# Altium PCB Graviton-RB1.PcbDoc (part 3 of 11) (continued)
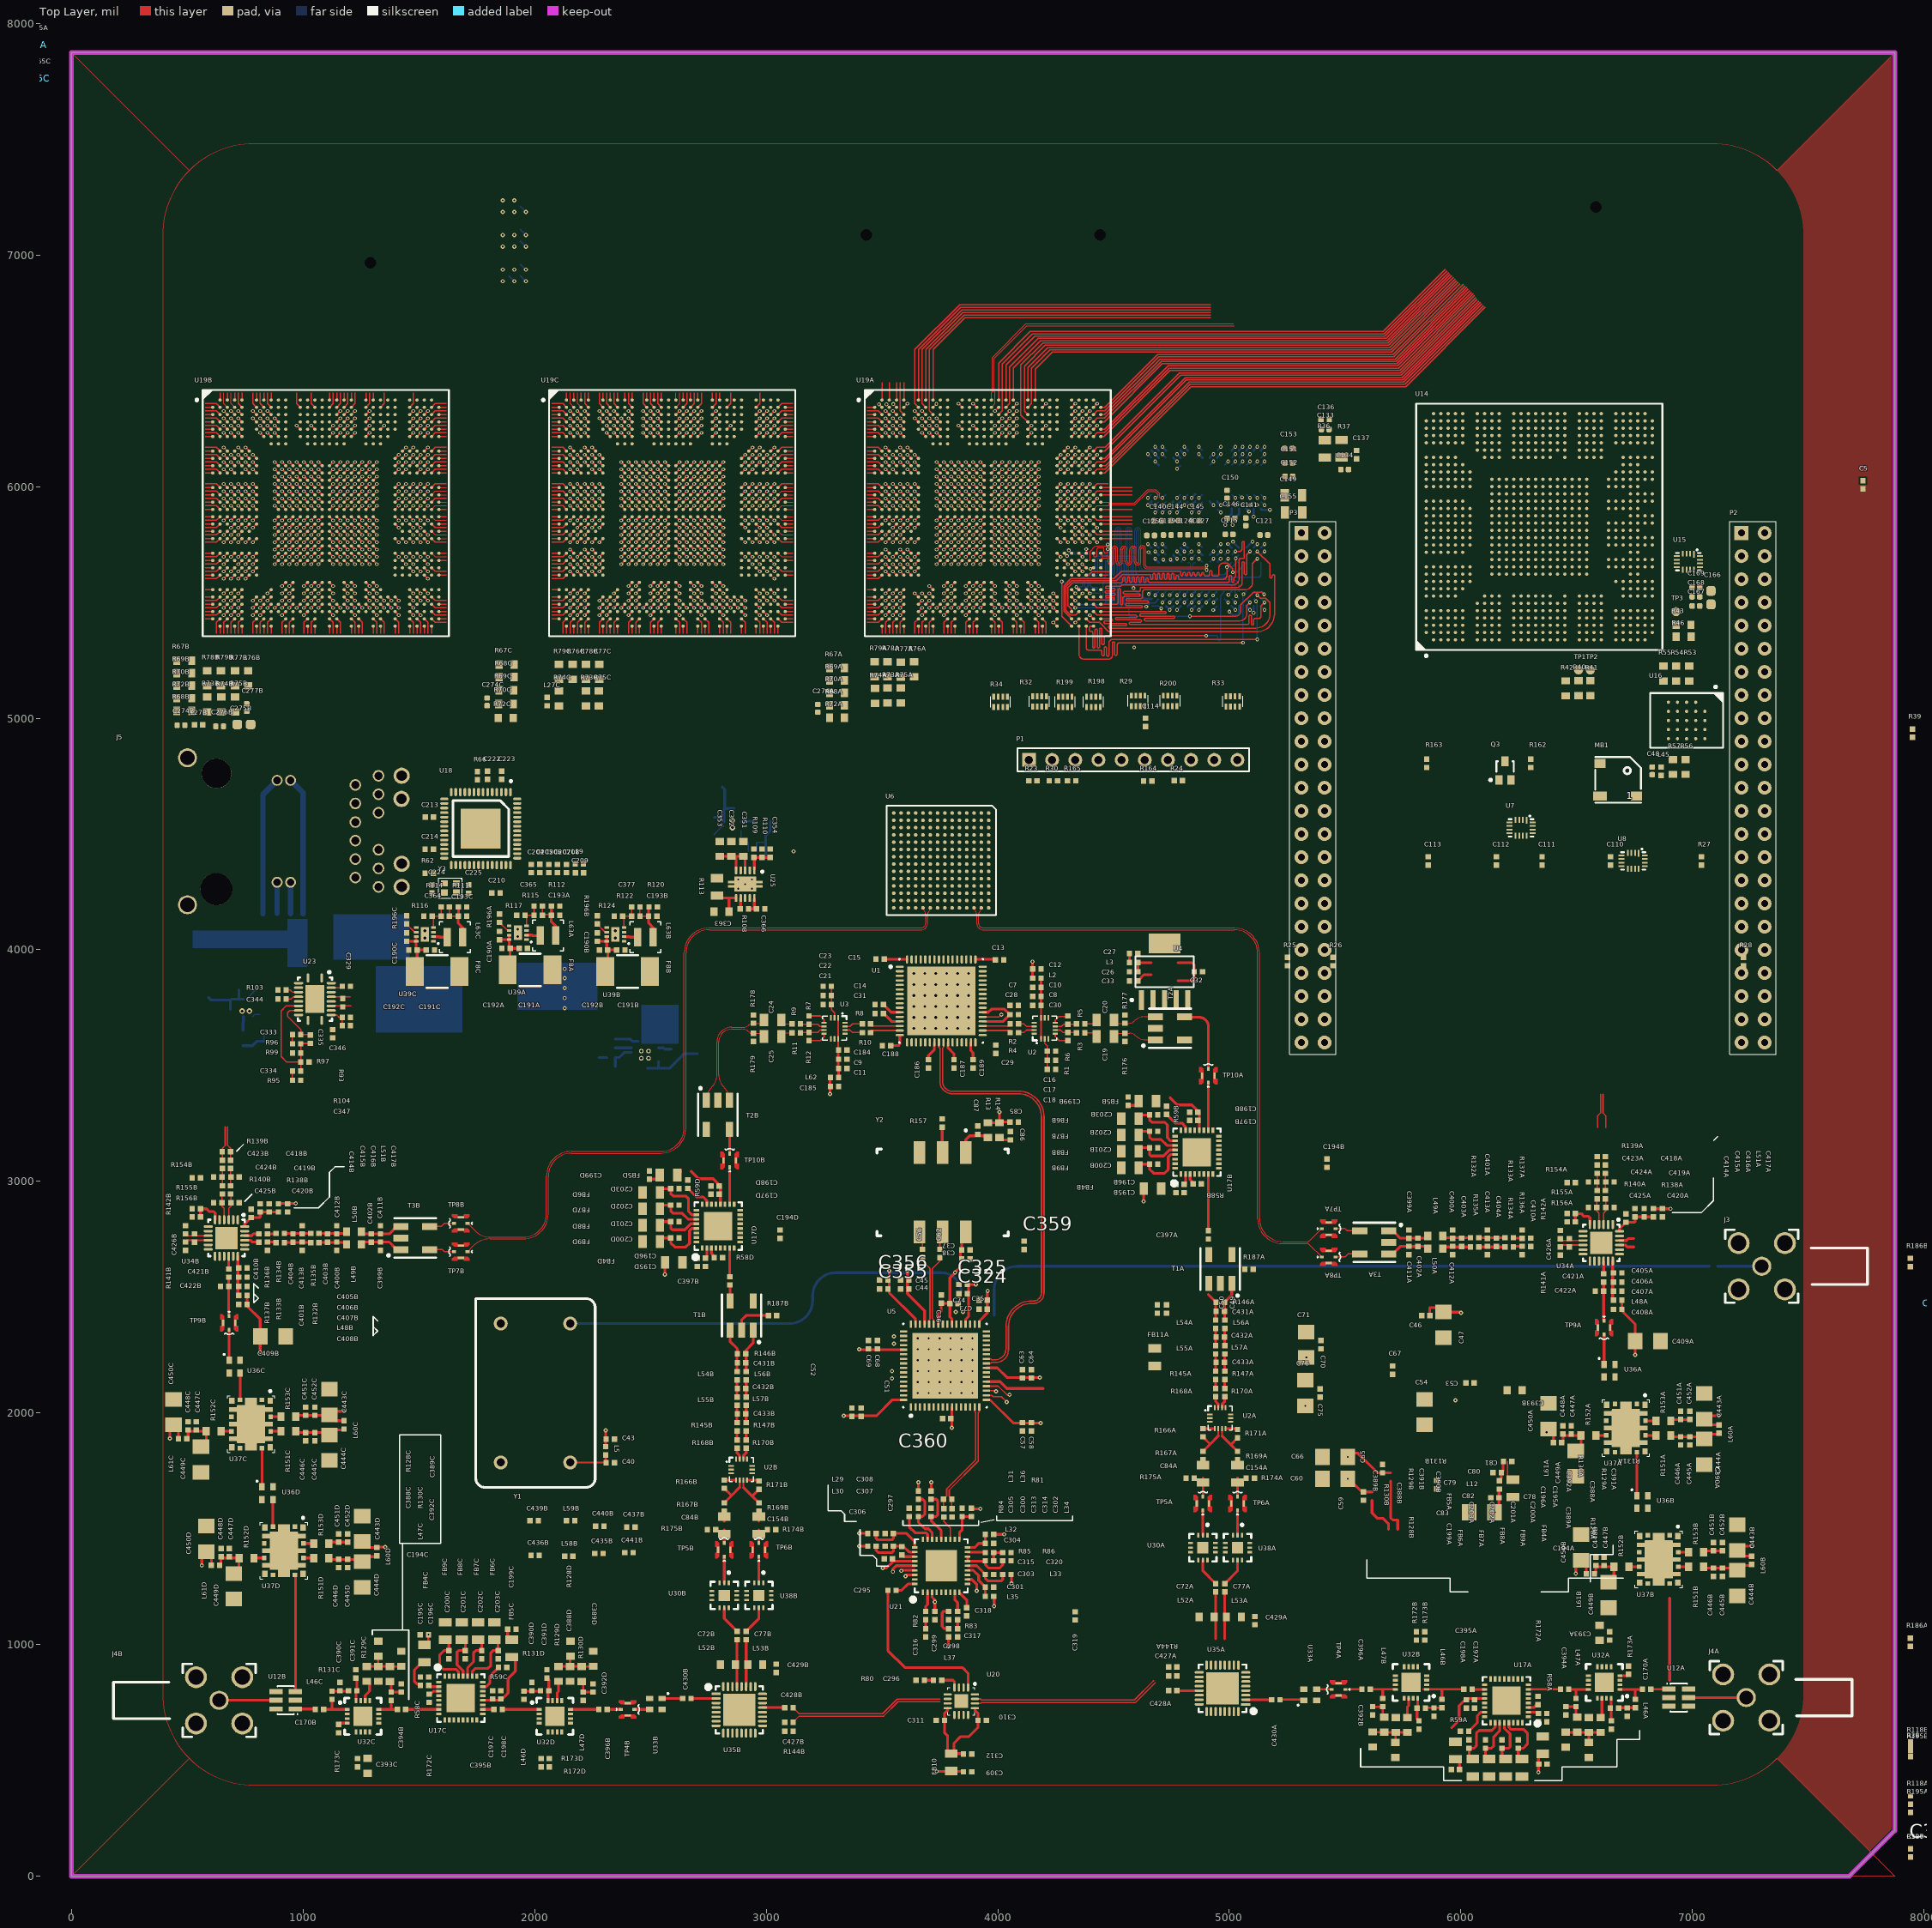
[diagram p0: Top Layer view]
## Components (designator, comment, footprint, x,y, rotation, side; value= is the part's Value field where it differs from the comment) (continued)
R67C "RES 0603 4.7k 1%" 0603 1879,5232 r180 top (schematic designator R67)
R68A "RES 0603 4.7k 1%" 0603 3306,5055.75 r180 top (schematic designator R68)
R68B "RES 0603 4.7k 1%" 0603 487,5032 r180 top (schematic designator R68)
R68C "RES 0603 4.7k 1%" 0603 1879,5178 r180 top (schematic designator R68)
R69A "RES 0603 4.7k 1%" 0603 3306,5163.25 r180 top (schematic designator R69)
R69B "RES 0603 4.7k 1%" 0603 487,5194.75 r180 top (schematic designator R69)
R69C "RES 0603 4.7k 1%" 0603 1878,5121 r180 top (schematic designator R69)
R70A "RES 0603 4.7k 1%" 0603 3306,5109.5 r180 top (schematic designator R70)
R70B "RES 0603 4.7k 1%" 0603 487,5140.5 r180 top (schematic designator R70)
R70C "RES 0603 4.7k 1%" 0603 1876.36,5061.71 r180 top (schematic designator R70)
R71A "RES 0603 4.7k 1%" 0603 3560,5590 r180 bottom (schematic designator R71)
R71B "RES 0603 4.7k 1%" 0603 3630,5460 r270 bottom (schematic designator R71)
R71C "RES 0603 4.7k 1%" 0603 2207,5581 r180 bottom (schematic designator R71)
R72A "RES 0603 4.7k 1%" 0603 3306,5002 r0 top (schematic designator R72)
R72B "RES 0603 4.7k 1%" 0603 487,5086.25 r0 top (schematic designator R72)
R72C "RES 0603 4.7k 1%" 0603 1875,5001 r0 top (schematic designator R72)
R73A "RES 0603 4.7k 1%" 0603 3524.07,5098.38 r270 top (schematic designator R73)
R73B "RES 0603 4.7k 1%" 0603 586,5060 r270 top (schematic designator R73)
R73C "RES 0603 4.7k 1%" 0603 2222,5086 r270 top (schematic designator R73)
R74A "RES 0603 4.7k 1%" 0603 3470,5097 r270 top (schematic designator R74)
R74B "RES 0603 4.7k 1%" 0603 647,5060 r270 top (schematic designator R74)
R74C "RES 0603 4.7k 1%" 0603 2105,5086 r270 top (schematic designator R74)
R75A "RES 0603 0" 0603 3581,5098 r270 top (schematic designator R75)
R75B "RES 0603 0" 0603 707,5060 r270 top (schematic designator R75)
R75C "RES 0603 0" 0603 2278,5086 r270 top (schematic designator R75)
R76A "RES 0603 4.7k 1%" 0603 3639,5211 r270 top (schematic designator R76)
R76B "RES 0603 4.7k 1%" 0603 763,5172 r90 top (schematic designator R76)
R76C "RES 0603 4.7k 1%" 0603 2164,5200 r90 top (schematic designator R76)
R77A "RES 0603 4.7k 1%" 0603 3581,5210 r270 top (schematic designator R77)
R77B "RES 0603 4.7k 1%" 0603 707,5173 r270 top (schematic designator R77)
R77C "RES 0603 4.7k 1%" 0603 2279,5200 r270 top (schematic designator R77)
R78A "RES 0603 0" 0603 3524,5212 r270 top (schematic designator R78)
R78B "RES 0603 0" 0603 586,5173 r270 top (schematic designator R78)
R78C "RES 0603 0" 0603 2222,5200 r270 top (schematic designator R78)
R79A "RES 0603 0" 0603 3469,5212 r270 top (schematic designator R79)
R79B "RES 0603 0" 0603 646,5173 r270 top (schematic designator R79)
R79C "RES 0603 0" 0603 2105,5200 r270 top (schematic designator R79)
R80 "RES 0402" 0402 3665.35,846.46 r180 top
R81 "RES 0402" 0402 3783.46,1628.15 r180 top
R82 "RES 0402" 0402 3688.98,1125.98 r90 top
R83 "RES 0402" 0402 3826.77,1125.98 r90 top
R84 "RES 0402" 0402 3618.11,1570.87 r270 top
R85 "RES 0402" 0402 3964.57,1397.64 r0 top
R86 "RES 0402" 0402 4039.37,1397.64 r0 top
R87 "RES 0805" 0805 3039.37,4409.45 r0 bottom
R88 "RES 360K 0402" 0402 2940.94,4464.57 r0 bottom
R89 "RES 0402" 0402 9811.02,7169.29 r90 top
R90 "RES 180k 0402" 0402 2866.14,4464.57 r0 bottom
R91 "RES 0402" 0402 13417.32,7035.43 r90 top
R92A "RES 0402" 0402 8272.41,329.03 r90 top (schematic designator R92)
R92B "RES 0402" 0402 8272.41,561.32 r90 top (schematic designator R92)
R93 "RES 0402" 0402 1171.46,3771.65 r270 top
R94 "RES 0402" 0402 11547.24,7035.43 r90 top
R95 "RES 0402" 0402 972.44,3437.01 r180 top
R96 "RES 0402" 0402 972.44,3594.49 r0 top
R97 "RES 0402" 0402 1007.87,3515.75 r180 top
R98 "RES 0402" 0402 10070.87,7035.43 r90 top
R99 "RES 0402" 0402 972.44,3555.12 r180 top
R100 "RES 0402" 0402 -5340.38,1813.51 r0 top
R101 "RES 0402" 0402 10692.91,7086.61 r90 top
R102 "RES 0402" 0402 3323,4896 r270 bottom
R103 "RES 0402" 0402 909.45,3826.77 r180 top
R104 "RES 0402" 0402 1187.2,3708.66 r180 top
R105 "RES 0402" 0402 2330.71,3535.43 r180 bottom
R106 "RES 0402" 0402 3363,4896 r90 bottom
R107 "RES 0402" 0402 2330.71,3574.8 r180 bottom
R108 "RES 0402" 0402 2905.51,4177.17 r0 top
R109 "10k, 1%" 0402 2946.85,4417.32 r90 top
R110 "10k, 1%" 0402 2982.28,4417.32 r270 top
R111 "RES 1206" 0402 1688.98,4185.04 r0 top
R112 "RES 1206" 0402 2090.55,4188.98 r0 top
R113 "RES 0805" 0805 2787.4,4271.65 r90 top
R114 "RES 360K 0402" 0402 1614.17,4145.67 r0 top
R115 "RES 360K 0402" 0402 2015.75,4149.61 r0 top
R116 "RES 180k 0402" 0402 1539.37,4145.67 r0 top
R117 "RES 180k 0402" 0402 1940.94,4149.61 r0 top
R118A "RES 0402" 0402 7941.7,329.03 r90 top (schematic designator R118)
R118B "RES 0402" 0402 7941.7,561.32 r90 top (schematic designator R118)
R119 "RES 0402" 0402 8784.22,100.69 r90 top
R120 "RES 1206" 0402 2511.81,4185.04 r0 top
R121 "RES 1206" 0402 9307.09,7114.17 r90 top
R122 "RES 0402" 0402 2437.01,4145.67 r180 top
R123 "RES 360K 0402" 0402 13173.23,7078.74 r90 top
R124 "RES 0402" 0402 2362.2,4145.67 r180 top
R125 "RES 0402" 0402 8366.14,-102.36 r90 top
R126 "RES 180k 0402" 0402 11992.13,7078.74 r90 top
R127 "RES 0402" 0402 8221.23,100.69 r90 top
R128A "RES 0603" 0603 6552.17,545.28 r90 top (schematic designator R128)
R128B "RES 0603" 0603 5717.52,545.28 r90 top (schematic designator R128)
R128C "RES 0603" 0603 1325.79,982.28 r270 top (schematic designator R128)
R128D "RES 0603" 0603 2154.53,982.28 r270 top (schematic designator R128)
R129A "RES 0603" 0603 6603.35,653.54 r270 top (schematic designator R129)
R129B "RES 0603" 0603 5768.7,653.54 r270 top (schematic designator R129)
R129C "RES 0603" 0603 1274.61,874.02 r90 top (schematic designator R129)
R129D "RES 0603" 0603 2103.35,874.02 r90 top (schematic designator R129)
R130A "RES 0603" 0603 6502.95,654.53 r270 top (schematic designator R130)
R130B "RES 0603" 0603 5668.31,654.53 r270 top (schematic designator R130)
R130C "RES 0603" 0603 1375,873.03 r90 top (schematic designator R130)
R130D "RES 0603" 0603 2203.74,873.03 r90 top (schematic designator R130)
R131A "RES 0402" 0402 6663.39,726.38 r180 top (schematic designator R131)
R131B "RES 0402" 0402 5828.74,726.38 r180 top (schematic designator R131)
R131C "RES 0402" 0402 1214.57,801.18 r0 top (schematic designator R131)
R131D "RES 0402" 0402 2043.31,801.18 r0 top (schematic designator R131)
R132A "RES 0402" 0402 6059.06,2756.89 r0 top (schematic designator R132)
R132B "RES 0402" 0402 1051.18,2736.22 r180 top (schematic designator R132)
R133A "RES 0402" 0402 6208.66,2756.89 r0 top (schematic designator R133)
R133B "RES 0402" 0402 901.57,2736.22 r180 top (schematic designator R133)
R134A "RES 0402" 0402 6208.66,2717.52 r0 top (schematic designator R134)
R134B "RES 0402" 0402 901.57,2775.59 r180 top (schematic designator R134)
R135A "RES 0402" 0402 6059.06,2717.52 r0 top (schematic designator R135)
R135B "RES 0402" 0402 1051.18,2775.59 r180 top (schematic designator R135)
R136A "RES 0402" 0402 6263.78,2701.77 r270 top (schematic designator R136)
R136B "RES 0402" 0402 846.46,2791.34 r90 top (schematic designator R136)
R137A "RES 0402" 0402 6263.78,2772.64 r270 top (schematic designator R137)
R137B "RES 0402" 0402 846.46,2720.47 r90 top (schematic designator R137)
R138A "RES 0402" 0402 6624.02,2942.91 r270 top (schematic designator R138)
R138B "RES 0402" 0402 687.01,2963.58 r270 top (schematic designator R138)
R139A "RES 0402" 0402 6606.3,3107.28 r0 top (schematic designator R139)
R139B "RES 0402" 0402 669.29,3127.95 r0 top (schematic designator R139)
R140A "RES 0402" 0402 6588.58,2942.91 r270 top (schematic designator R140)
R140B "RES 0402" 0402 651.57,2963.58 r270 top (schematic designator R140)
R141A "RES 0402" 0402 6429.13,2699.8 r90 top (schematic designator R141)
R141B "RES 0402" 0402 492.13,2720.47 r90 top (schematic designator R141)
R142A "RES 0402" 0402 6429.13,2770.67 r90 top (schematic designator R142)
R142B "RES 0402" 0402 492.13,2791.34 r90 top (schematic designator R142)
R143 "RES 0402" 0402 -189.74,2193.6 r180 top
R144A "RES 0402" 0402 4755.91,903.94 r180 top (schematic designator R144)
R144B "RES 0402" 0402 3098.43,625.98 r0 top (schematic designator R144)
R145A "RES 0402" 0402 4940.94,2163.19 r270 top (schematic designator R145)
R145B "RES 0402" 0402 2874.02,1940.94 r270 top (schematic designator R145)
R146A "RES 0402" 0402 4960.63,2478.15 r180 top (schematic designator R146)
R146B "RES 0402" 0402 2893.7,2255.91 r180 top (schematic designator R146)
R147A "RES 0402" 0402 4980.31,2163.19 r270 top (schematic designator R147)
R147B "RES 0402" 0402 2913.39,1940.94 r270 top (schematic designator R147)
R148A "RES 0402" 0402 13992.13,4300.79 r0 top (schematic designator R148)
R148B "RES 0402" 0402 11405.51,3661.42 r0 top (schematic designator R148)
R149A "RES 0402" 0402 14192.91,4466.14 r0 top (schematic designator R149)
R149B "RES 0402" 0402 11606.3,3826.77 r0 top (schematic designator R149)
R150A "RES 0402" 0402 14468.5,4501.57 r0 top (schematic designator R150)
R150B "RES 0402" 0402 11881.89,3862.2 r0 top (schematic designator R150)
R151A "RES 0603" 0603 6874.02,1903.54 r0 top (schematic designator R151)
R151B "RES 0603" 0603 7015.75,1336.61 r0 top (schematic designator R151)
R151C "RES 0603" 0603 937.01,1921.26 r0 top (schematic designator R151)
R151D "RES 0603" 0603 1078.74,1374.02 r0 top (schematic designator R151)
R152A "RES 0603" 0603 6551.18,1903.54 r180 top (schematic designator R152)
R152B "RES 0603" 0603 6692.91,1336.61 r180 top (schematic designator R152)
R152C "RES 0603" 0603 614.17,1921.26 r180 top (schematic designator R152)
R152D "RES 0603" 0603 755.91,1374.02 r180 top (schematic designator R152)
R153A "RES 0603" 0603 6874.02,1966.54 r0 top (schematic designator R153)
R153B "RES 0603" 0603 7015.75,1399.61 r0 top (schematic designator R153)
R153C "RES 0603" 0603 937.01,1984.25 r0 top (schematic designator R153)
R153D "RES 0603" 0603 1078.74,1437.01 r0 top (schematic designator R153)
R154A "RES 0402" 0402 6476.38,2995.08 r180 top (schematic designator R154)
R154B "RES 0402" 0402 539.37,3015.75 r180 top (schematic designator R154)
R155A "RES 0402" 0402 6476.38,2861.22 r0 top (schematic designator R155)
R155B "RES 0402" 0402 539.37,2881.89 r0 top (schematic designator R155)
R156A "RES 0402" 0402 6476.38,2825.79 r180 top (schematic designator R156)
R156B "RES 0402" 0402 539.37,2846.46 r180 top (schematic designator R156)
R157 "RES 0402" 0402 3759.84,3251.97 r90 top
R158 "RES 1206" 0402 944.88,4137.8 r90 bottom
R159 "RES 1206" 0402 1000,4137.8 r90 bottom
R160 "RES 1206" 0402 885.83,4137.8 r90 bottom
R161 "RES 1206" 0402 826.77,4137.8 r90 bottom
R162 "RES 0402" 0402 6301.15,4805.22 r90 top
R163 "RES 0402" 0402 5852.33,4805.22 r90 top
R164 "RES 0402" 0402 4648,4729 r0 top
R165 "RES 0402" 0402 4319,4730 r180 top
R166A "RES 0402" 0402 4885.83,1915.16 r270 top (schematic designator R166)
R166B "RES 0402" 0402 2818.9,1692.91 r270 top (schematic designator R166)
R167A "RES 0402" 0402 4885.83,1816.73 r270 top (schematic designator R167)
R167B "RES 0402" 0402 2818.9,1594.49 r270 top (schematic designator R167)
R168A "RES 0402" 0402 4940.94,2088.39 r270 top (schematic designator R168)
R168B "RES 0402" 0402 2874.02,1866.14 r270 top (schematic designator R168)
R169A "RES 0402" 0402 5035.43,1816.73 r270 top (schematic designator R169)
R169B "RES 0402" 0402 2968.5,1594.49 r270 top (schematic designator R169)
R170A "RES 0402" 0402 4980.31,2088.39 r270 top (schematic designator R170)
R170B "RES 0402" 0402 2913.39,1866.14 r270 top (schematic designator R170)
R171A "RES 0402" 0402 5035.43,1911.22 r90 top (schematic designator R171)
R171B "RES 0402" 0402 2968.5,1688.98 r90 top (schematic designator R171)
R172A "RES 0402" 0402 6642.72,1037.4 r270 top (schematic designator R172)
R172B "RES 0402" 0402 5808.07,1037.4 r270 top (schematic designator R172)
R172C "RES 0402" 0402 1235.24,490.16 r90 top (schematic designator R172)
R172D "RES 0402" 0402 2063.98,490.16 r90 top (schematic designator R172)
R173A "RES 0402" 0402 6724.41,889.76 r270 top (schematic designator R173)
R173B "RES 0402" 0402 5843.5,1037.4 r270 top (schematic designator R173)
R173C "RES 0402" 0402 1153.54,637.8 r90 top (schematic designator R173)
R173D "RES 0402" 0402 2028.54,490.16 r90 top (schematic designator R173)
R174A "RES 0402" 0402 5090.55,1718.31 r0 top (schematic designator R174)
R174B "RES 0402" 0402 3023.62,1496.06 r0 top (schematic designator R174)
R175A "RES 0402" 0402 4830.71,1718.31 r180 top (schematic designator R175)
R175B "RES 0402" 0402 2763.78,1496.06 r180 top (schematic designator R175)
R176 "RES 0402" 0402 4549.21,3622.05 r270 top
R177 "RES 0402" 0402 4549.21,3700.79 r270 top
R178 "RES 0402" 0402 2944.88,3700.79 r90 top
R179 "RES 0402" 0402 2944.88,3622.05 r90 top
R180A "RES 0402" 0402 10212.03,1010.31 r90 top (schematic designator R180)
R180B "RES 0402" 0402 10331.13,2650.15 r90 top (schematic designator R180)
R181A "RES 0402" 0402 9840.95,1010.31 r90 top (schematic designator R181)
R181B "RES 0402" 0402 9941.35,2650.15 r90 top (schematic designator R181)
R182A "RES 0402" 0402 9461.01,1010.31 r90 top (schematic designator R182)
R182B "RES 0402" 0402 9540.74,2650.15 r90 top (schematic designator R182)
R183A "RES 0402" 0402 9081.07,1010.31 r90 top (schematic designator R183)
R183B "RES 0402" 0402 9141.11,2650.15 r90 top (schematic designator R183)
R184A "RES 0402" 0402 8701.13,1010.31 r90 top (schematic designator R184)
R184B "RES 0402" 0402 8740.5,2650.15 r90 top (schematic designator R184)
R185A "RES 0402" 0402 8320.2,1010.31 r90 top (schematic designator R185)
R185B "RES 0402" 0402 8340.87,2650.15 r90 top (schematic designator R185)
R186A "RES 0402" 0402 7940.26,1010.31 r90 top (schematic designator R186)
R186B "RES 0402" 0402 7940.26,2650.15 r90 top (schematic designator R186)
R187A "RES 0402" 0402 5084.65,2620.87 r0 top (schematic designator R187)
R187B "RES 0402" 0402 3027.56,2421.26 r0 top (schematic designator R187)
R188 "RES 0402" 0402 -359.03,2193.6 r180 top
R189 "RES 0402" 0402 -528.32,2193.6 r180 top
R190 "RES 0402" 0402 -697.61,2193.6 r180 top
R191 "RES 0402" 0402 -866.9,2193.6 r180 top
R192 "RES 0402" 0402 -1036.19,2193.6 r180 top
R193 "RES 0402" 0402 -1209.42,2193.6 r180 top
R194 "RES 0402" 0402 -1378.71,2193.6 r180 top
R195A "RES 0402" 0402 7941.7,293.6 r90 top (schematic designator R195)
R195B "RES 0402" 0402 7941.7,533.76 r90 top (schematic designator R195)
R196A "RES 0402" 0402 1848.98,4136.46 r270 top (schematic designator R196)
R196B "RES 0402" 0402 2270.24,4129.57 r270 top (schematic designator R196)
R196C "RES 0402" 0402 1447.4,4129.57 r270 top (schematic designator R196)
R196D "RES 0402" 0402 815.59,3828.19 r180 bottom (schematic designator R196)
R196E "RES 0402" 0402 2775.59,4480.32 r90 bottom (schematic designator R196)
R197 "RES 0402" 0402 7941.7,100.69 r90 top
R198 "RESPAK x4 0804" 0804-PAK-8 4413.39,5070.87 r90 top
R199 "RESPAK x4 0804" 0804-PAK-8 4291.34,5070.87 r90 top
R200 "RESPAK x4 0804" 0804-PAK-8 4744.09,5074.8 r90 top
T1A "TC1-1TG2+" AT224-1A 4960.63,2622.05 r180 top (schematic designator T1)
T1B "TC1-1TG2+" AT224-1A 2893.7,2421.26 r180 top (schematic designator T1)
T2A "TC1-1TG2+" AT224-1A 4744.09,3661.42 r90 top (schematic designator T2)
T2B "TC1-1TG2+" AT224-1A 2791.34,3287.4 r0 top (schematic designator T2)
T3A "TC1-1-13M" AT224-1A 5625.98,2737.2 r270 top (schematic designator T3)
T3B "TC1-1-13M" AT224-1A 1484.25,2755.91 r90 top (schematic designator T3)
TP1 "TEST_POINT_SMD_10" TEST_POINT_SMD_10 6508,5209 r90 top
TP2 "TEST_POINT_SMD_10" TEST_POINT_SMD_10 6559,5208 r90 top
TP3 "TEST_POINT_SMD_10" TEST_POINT_SMD_10 6929,5460 r90 top
TP4A "MS-180(20)" MS-180(20) 5471.46,807.09 r180 top (schematic designator TP4)
TP4B "MS-180(20)" MS-180(20) 2401.57,720.47 r0 top (schematic designator TP4)
TP5A "MS-180(20)" MS-180(20) 4885.83,1610.04 r90 top (schematic designator TP5)
TP5B "MS-180(20)" MS-180(20) 2818.9,1409.45 r90 top (schematic designator TP5)
TP6A "MS-180(20)" MS-180(20) 5035.43,1610.04 r90 top (schematic designator TP6)
TP6B "MS-180(20)" MS-180(20) 2968.5,1409.45 r90 top (schematic designator TP6)
TP7A "MS-180(20)" MS-180(20) 5429.13,2796.26 r0 top (schematic designator TP7)
TP7B "MS-180(20)" MS-180(20) 1681.1,2696.85 r180 top (schematic designator TP7)
TP8A "MS-180(20)" MS-180(20) 5429.13,2674.21 r0 top (schematic designator TP8)
TP8B "MS-180(20)" MS-180(20) 1681.1,2818.9 r180 top (schematic designator TP8)
TP9A "MS-180(20)" MS-180(20) 6618.11,2369.09 r270 top (schematic designator TP9)
TP9B "MS-180(20)" MS-180(20) 681.1,2389.76 r270 top (schematic designator TP9)
TP10A "MS-180(20)" MS-180(20) 4909.45,3456.69 r90 top (schematic designator TP10)
TP10B "MS-180(20)" MS-180(20) 2842.52,3090.55 r90 top (schematic designator TP10)
U1 "ADS42LB69IRG" S-PVQFN-N64 3755.91,3779.53 r0 top
U2 "LMH6554LE" NHJ0014A 4202.76,3661.42 r180 top
U2A "LMH6554LE" NHJ0014A 4960.63,1978.15 r90 top (schematic designator U2)
U2B "LMH6554LE" NHJ0014A 2893.7,1755.91 r90 top (schematic designator U2)
U3 "LMH6554LE" NHJ0014A 3295.28,3661.42 r0 top
U4 "TPS73618DCQ" DCQ-SOT223-5 4720.47,3905.51 r0 top
U5 "LMK04828" NKD0064A 3772.64,2204.72 r90 top
U6 "DAC3484IZAY" ZAY-BGA-196 3755.91,4385.83 r270 top
U7 "SN74AVC4T774RSVR" RSV 6259.84,4526.77 r180 top
U8 "SN74AVC4T774RSVR" RSV 6744.09,4384.06 r180 top
U9 "MT41K256M16HA -125:E" BGA96_T9_P8_9X14#1 4900,5610 r270 bottom locked
U10 "MT41K256M16HA -125:E" BGA96_T9_P8_9X14#2 4900,6030 r270 bottom locked
U11A "LMC6762" SOIC8 3799.21,-1358.27 r0 top (schematic designator U11)
U11B "LMC6762" SOIC8 -712.6,1366.14 r0 top (schematic designator U11)
U12A "HMC545A" SOT23-6 6940.94,771.65 r270 top (schematic designator U12)
U12B "HMC545A" SOT23-6 925.2,759.84 r90 top (schematic designator U12)
U13 "ADCLK944" WFQFN-16 8232.28,4921.26 r0 top
U14 "LFE5U_-85F-_BG756_" caBGA756 6338.58,5826.77 r90 top
U15 "SN74AVC4T774RSVR" RSV 6982,5676 r180 top
U16 "N25Q00AA13G1240" L-PBGA-24 6974.74,4990.37 r270 top
U17A "PE43713" QFN-PE-32 6196.85,757.87 r180 top (schematic designator U17)
U17B "PE43713" QFN-PE-32 4860.24,3125.98 r90 top (schematic designator U17)
U17C "PE43713" QFN-PE-32 1681.1,769.68 r0 top (schematic designator U17)
U17D "PE43713" QFN-PE-32 2792.91,2807.09 r90 top (schematic designator U17)
U18 "88E1512" QFN-56 1767.72,4523.62 r270 top
U19A "LFE5U_-85F-_BG756_" caBGA756 3956.69,5885.83 r0 top locked (schematic designator U19)
U19B "LFE5U_-85F-_BG756_" caBGA756 1098.43,5885.83 r0 top (schematic designator U19)
U19C "LFE5U_-85F-_BG756_" caBGA756 2594.49,5885.83 r0 top (schematic designator U19)
U20 "ADCLK944" WFQFN-16 3842.52,755.91 r270 top
U21 "LMX2541" NJK-WQFN-36 3755.91,1340.75 r90 top
U23 "TPS40170" RGY-VQFN-20 1051.18,3787.4 r270 top
U24 "TPS54618" RTE-WQFN-16 2476.38,3547.24 r90 bottom
U25 "TPS51200" DRC 2909.45,4283.46 r180 top
U30A "XLF-151+" QFN-XLF-12 4885.83,1418.9 r270 top (schematic designator U30)
U30B "XLF-151+" QFN-XLF-12 2818.9,1212.6 r270 top (schematic designator U30)
U31A "Dot marks A1 on 1.5, 1.8, 2.4, and 4.8V versions, dot marks B1 otherwise" DSBGA-4 1012.02,-673.23 r180 top (schematic designator U31)
U31B "Dot marks A1 on 1.5, 1.8, 2.4, and 4.8V versions, dot marks B1 otherwise" DSBGA-4 75.79,-1151.57 r180 top (schematic designator U31)
U31C "Dot marks A1 on 1.5, 1.8, 2.4, and 4.8V versions, dot marks B1 otherwise" DSBGA-4 10373.03,4037.4 r0 top (schematic designator U31)
U31D "Dot marks A1 on 1.5, 1.8, 2.4, and 4.8V versions, dot marks B1 otherwise" DSBGA-4 11201.77,4037.4 r0 top (schematic designator U31)
U32A "MGA-16116" QFN-16-AVAGO 6619.09,836.61 r180 top (schematic designator U32)
U32B "MGA-16116" QFN-16-AVAGO 5784.45,836.61 r180 top (schematic designator U32)
U32C "MGA-16116" QFN-16-AVAGO 1258.86,690.94 r0 top (schematic designator U32)
U32D "MGA-16116" QFN-16-AVAGO 2087.6,690.94 r0 top (schematic designator U32)
U33A "SF2098H" SM2016-4 5349.41,783.46 r180 top (schematic designator U33)
U33B "SF2098H" SM2016-4 2523.62,744.09 r0 top (schematic designator U33)
U34A "TRF3705_RGE_24" RGE-VQFN-24 6606.3,2735.24 r180 top (schematic designator U34)
U34B "TRF3705_RGE_24" RGE-VQFN-24 669.29,2755.91 r180 top (schematic designator U34)
U35A "TRF37B32" RTV-WQFN-32 4970.47,811.42 r180 top (schematic designator U35)
U35B "TRF37B32" RTV-WQFN-32 2883.86,718.5 r0 top (schematic designator U35)
U36A "SF2098H" SM2016-4 6641.73,2183.07 r90 top (schematic designator U36)
U36B "SF2098H" SM2016-4 6783.46,1616.14 r90 top (schematic designator U36)
U36C "SF2098H" SM2016-4 704.72,2200.79 r90 top (schematic designator U36)
U36D "SF2098H" SM2016-4 846.46,1653.54 r90 top (schematic designator U36)
U37A "ALM-31122" ALM-31122 6712.6,1935.04 r270 top (schematic designator U37)
U37B "ALM-31122" ALM-31122 6854.33,1368.11 r270 top (schematic designator U37)
U37C "ALM-31122" ALM-31122 775.59,1952.76 r270 top (schematic designator U37)
U37D "ALM-31122" ALM-31122 917.32,1405.51 r270 top (schematic designator U37)
U38A "XLF-151+" QFN-XLF-12 5035.43,1418.9 r270 top (schematic designator U38)
U38B "XLF-151+" QFN-XLF-12 2968.5,1212.6 r270 top (schematic designator U38)
U39A "TPS62065" DSG 1927.72,4073.46 r180 top (schematic designator U39)
U39B "TPS62065" DSG 2348.98,4066.57 r180 top (schematic designator U39)
U39C "TPS62065" DSG 1526.14,4066.57 r180 top (schematic designator U39)
U39D "TPS62065" DSG 752.6,3735.58 r270 bottom (schematic designator U39)
U39E "TPS62065" DSG 2854.33,4543.31 r180 bottom (schematic designator U39)
Y1 "OX-400" G125 2003.94,2086.61 r90 top
Y2 "VX-501" G218 3761.81,2952.76 r180 top
Y3 "XRCGB25M000F3N00R0" XRCGB 1636.57,4267.32 r0 top

## Footprints (in the part's own frame and the unit in brackets; to place one, negate y for a bottom-side part, rotate by r counter-clockwise, add the part's x,y. Pads: shape width x height; smd on the part's side, far side on the other; paste and mask are expansions set on the pad)
0402 [mm] "SMD; Body 1 x 0.5 mm (LxW typ)"
  rect 0.59x0.6 smd: 1(-0.455,0) 2(0.455,0)
  body extent -0.5,-0.25 0.5,0.25, height 0.6
451_453 [mm] "Littelfuse SMD Fuse, 451 and 453 Series, 6.1x2.7mm"
  rect 1.96x3.15 smd: 1(-2.455,0) 2(2.455,0)
  silkscreen extent -1.14,-1.78 1.14,1.78, body extent -3.05,-1.35 3.05,1.35, height 2.7
0603 [mm] "SMD; Body 1.6 x 0.9 mm (LxW typ)"
  rect 0.79x0.93 smd: 1(-0.82,0) 2(0.82,0)
  body extent -0.8,-0.4 0.8,0.4, height 0.9
0804-PAK-8 [mm] "8-pin Resistor Array Package"
  rect 0.65x0.3 smd mask+0.076: 1(-0.575,0.75) 2(-0.575,0.25) 3(-0.575,-0.25) 4(-0.575,-0.75) 5(0.575,-0.75) 6(0.575,-0.25) 7(0.575,0.25) 8(0.575,0.75)
  silkscreen extent -0.6,-1.1 0.6,1.1, body extent -0.5,-1 0.5,1, height 1.4
0805 [mm] "SMD; Body 2 x 1.2 mm (LxW typ)"
  rect 0.92x1.38 smd: 1(-0.955,0) 2(0.955,0)
  body extent -1,-0.63 1,0.63, height 1.2
0826 [mil] "Bel-Fuse Gigabit MagJack with PoE footprint"
  round 50 hole 35: 1(-200,-600) 2(-120,-600) 3(-40,-600) 4(40,-600) 5(120,-600) 6(200,-600) 7(-240,-700) 8(-160,-700) 9(-80,-700) 10(80,-700) 11(160,-700) 12(240,-700)
  round 47 hole 32: 13(-220,-320) 14(220,-320) 15(-220,-262) 16(220,-262)
  round 70 hole 45: 17(-240,-800) 18(-140,-800) 19(140,-799.21) 20(240,-800)
  round 82 hole 62: 21(-317.5,125) 22(317.5,125)
  round 137.8 hole 137.8 unplated: M1(-250,0)
  round 128 hole 128 unplated: M2(250,0)
  body extent -321,-860 321,430, height 536
1206 [mm] "SMD; Body 3.1 x 1.6 mm (LxW typ)"
  rect 1.6x1.8 smd: 1(-1.4,0) 2(1.4,0)
  body extent -1.63,-0.79 1.57,0.81, height 1
1210 [mm] "SMD; Body 3.2 x 2.5 mm (LxW typ)"
  rect 1.6x2.7 smd: 1(-1.4,0) 2(1.4,0)
  body extent -1.6,-1.27 1.6,1.23, height 1.5
132136 [mm] "SMA R/A Connector"
  round 2.1 hole 1.5: 1(0,0)
  round 2.4 hole 1.7: 2(2.54,-2.54) 3(2.54,2.54) 4(-2.54,2.54) 5(-2.54,-2.54)
  silkscreen extent -11.6,-4 4,4
ALM-31122 [mm] "ALM-31122 Power Amplifier Package"
  rect 0.7x0.6 smd: 1(-2.55,2.1) 6(-2.55,-2.1) 12(2.55,-2.1) 17(2.55,2.1)
  rect 0.5x0.5 smd: 2(-2.65,1.2) 3(-2.65,0.4) 4(-2.65,-0.4) 5(-2.65,-1.2) 7(-1.6,-2.15) 8(-0.8,-2.15) 9(0,-2.15) 10(0.8,-2.15) 11(1.6,-2.15) 13(2.65,-1.2) 14(2.65,-0.4) 15(2.65,0.4) 16(2.65,1.2) 18(1.6,2.15) 19(0.8,2.15) 20(0,2.15) 21(-0.8,2.15) 22(-1.6,2.15)
  rrect5% 4.2x3.1 smd: 23(0,0)
  rect 5.8x1.3 smd: 24(0,0)
  rect 0.5x4.8 smd: 25(-1.6,0) 25(0,0) 26(1.6,0)
  silkscreen extent -3.7,-2.6 3.1,2.6, body extent -2.9,-2.4 2.9,2.4, height 1
ASPI-0310FS [mm] "Ultra low profile shielded SMD chip power inductor"
  rect 0.8x2 smd: 1(-0.85,0) 2(0.85,0)
  silkscreen extent -1.7,-1.7 1.7,1.7, body extent -1.5,-1.5 1.5,1.5, height 1
AT224-1A [mm] "Surface Mount RF Transformer"
  rect 0.76x1.65 smd: 1(-1.27,1.59) 2(0,1.59) 3(1.27,1.59) 4(1.27,-1.59) 6(-1.27,-1.59)
  silkscreen extent -2.16,-2.29 2.16,3.05, body extent -1.9,-1.9 1.9,1.9, height 4.06
BGA96_T9_P8_9X14#1 [mil] "BGA96_T9_P8_9X14"
  round 14 smd mask+2: A1(-126,236.25) A2(-94.5,236.25) A3(-63,236.25) A7(63,236.25) A8(94.5,236.25) A9(126,236.25) B1(-126,204.75) B2(-94.5,204.75) B3(-63,204.75) B7(63,204.75) B8(94.5,204.75) B9(126,204.75) C1(-126,173.25) C2(-94.5,173.25) C3(-63,173.25) C7(63,173.25) C8(94.5,173.25) C9(126,173.25) D1(-126,141.75) D2(-94.5,141.75) D3(-63,141.75) D7(63,141.75) D8(94.5,141.75) D9(126,141.75) E1(-126,110.25) E2(-94.5,110.25) E3(-63,110.25) E7(63,110.25) E8(94.5,110.25) E9(126,110.25) F1(-126,78.75) F2(-94.5,78.75) F3(-63,78.75) F7(63,78.75) F8(94.5,78.75) F9(126,78.75) G1(-126,47.25) G2(-94.5,47.25) G3(-63,47.25) G7(63,47.25) G8(94.5,47.25) G9(126,47.25) H1(-126,15.75) H2(-94.5,15.75) H3(-63,15.75) H7(63,15.75) H8(94.5,15.75) H9(126,15.75) J1(-126,-15.75) J2(-94.5,-15.75) J3(-63,-15.75) J7(63,-15.75) J8(94.5,-15.75) J9(126,-15.75) K1(-126,-47.25) K2(-94.5,-47.25) K3(-63,-47.25) K7(63,-47.25) K8(94.5,-47.25) K9(126,-47.25) L1(-126,-78.75) L2(-94.5,-78.75) L3(-63,-78.75) L7(63,-78.75) L8(94.5,-78.75) L9(126,-78.75) M1(-126,-110.25) M2(-94.5,-110.25) M3(-63,-110.25) M7(63,-110.25) M8(94.5,-110.25) M9(126,-110.25) N1(-126,-141.75) N2(-94.5,-141.75) N3(-63,-141.75) N7(63,-141.75) N8(94.5,-141.75) N9(126,-141.75) P1(-126,-173.25) P2(-94.5,-173.25) P3(-63,-173.25) P7(63,-173.25) P8(94.5,-173.25) P9(126,-173.25) R1(-126,-204.75) R2(-94.5,-204.75) R3(-63,-204.75) R7(63,-204.75) R8(94.5,-204.75) R9(126,-204.75) T1(-126,-236.25) T2(-94.5,-236.25) T3(-63,-236.25) T7(63,-236.25) T8(94.5,-236.25) T9(126,-236.25)
  Top Layer lines w4.75: 78.75,220.5 63,204.75 ; 110.25,189 94.5,173.25 ; 78.75,189 63,173.25 ; -110.25,189 -94.5,173.25 ; 78.75,126 63,110.25 ; 110.25,94.5 94.5,78.75 ; 78.75,94.5 63,78.75 ; 110.25,31.5 94.5,15.75 ; 78.75,31.5 63,15.75 ; -141.75,31.5 -126,15.75 ; -63,-15.75 -78.75,-31.5 ; -126,-47.25 -141.75,-63 ; 94.5,-78.75 110.25,-94.5 ; -63,-78.75 -78.75,-94.5 ; 94.5,-110.25 110.25,-126 ; -94.5,-110.25 -110.25,-126 ; 94.5,-173.25 110.25,-189 ; -94.5,-173.25 -110.25,-189 ; 94.5,-204.75 105,-215.25 110.25,-220.5 ; 63,-204.75 78.75,-220.5 ; -63,-204.75 -78.75,-220.5 ; -94.5,-204.75 -110.25,-220.5 ; 94.5,-236.25 110.25,-252 ; -94.5,-236.25 -110.25,-252
  Top Layer lines w10: -141.75,252 -126,236.25 ; -78.75,220.5 -63,204.75 ; -110.25,220.5 -94.5,204.75 ; -141.75,220.5 -126,204.75 ; -141.75,189 -126,173.25 ; 141.75,157.5 126,141.75 ; 110.25,157.5 94.5,141.75 ; -94.5,141.75 -78.75,126 ; 141.75,126 126,110.25 ; 110.25,126 94.5,110.25 ; -110.25,126 -94.5,110.25 ; -126,110.25 -110.25,94.5 ; -141.75,94.5 -126,78.75 ; 141.75,63 126,47.25 ; 110.25,63 94.5,47.25 ; 78.75,63 63,47.25 ; 141.75,31.5 126,15.75 ; -110.25,31.5 -94.5,15.75 ; -94.5,-15.75 -110.25,-31.5 ; -94.5,-47.25 -110.25,-63 ; 126,-110.25 141.75,-126 ; 165,-135 158.25,-141.75 ; 126,-173.25 141.75,-189 ; 126,-204.75 126.25,-205 ; -126,-204.75 -141.75,-220.5 ; 126,-236.25 141.75,-252 ; -126,-236.25 -141.75,-252
  silkscreen extent -177,-276 177,276